# Altium PCB N-CW7Rev00_FrontAndBackHousing.PcbDoc (part 1 of 4)
Units mm, origin at the board's own origin, x right, y up, seen from the top; angles counter-clockwise.
Board outline 137.9 x 91 mm, 2 copper layers (Top Layer, Bottom Layer), stack 1.54 mm thick; 332 components, 212 nets, 959 pads, 533 vias.
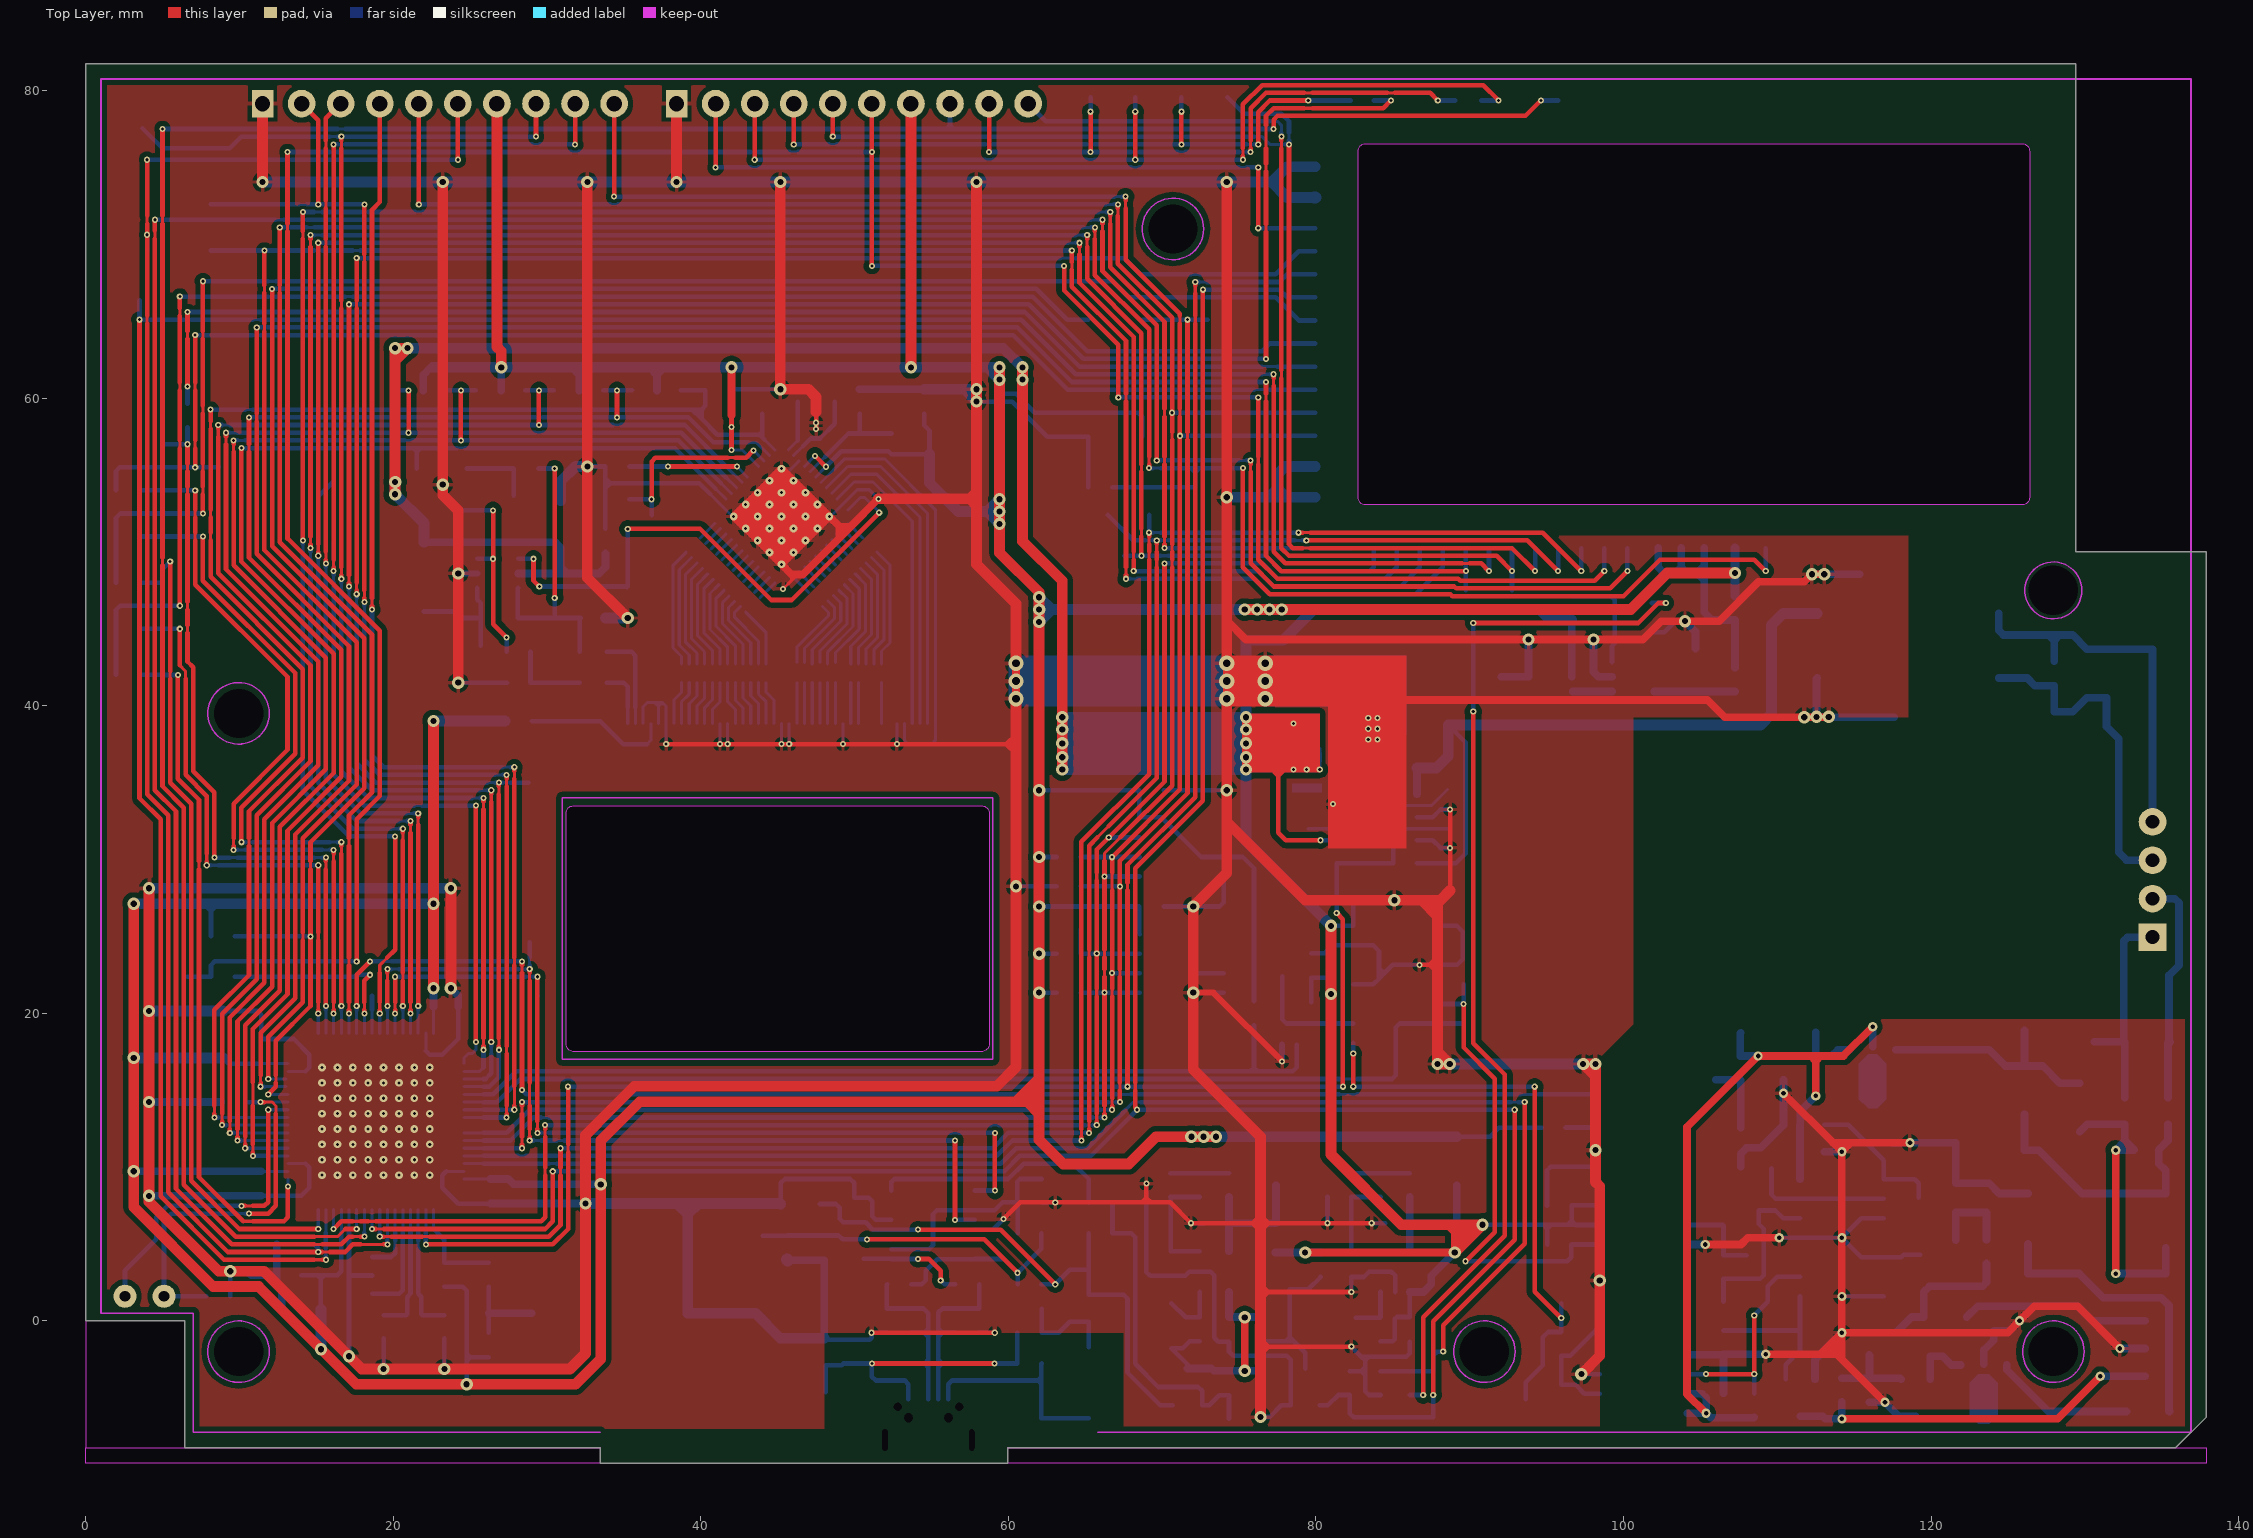
[diagram p0: Top Layer view]
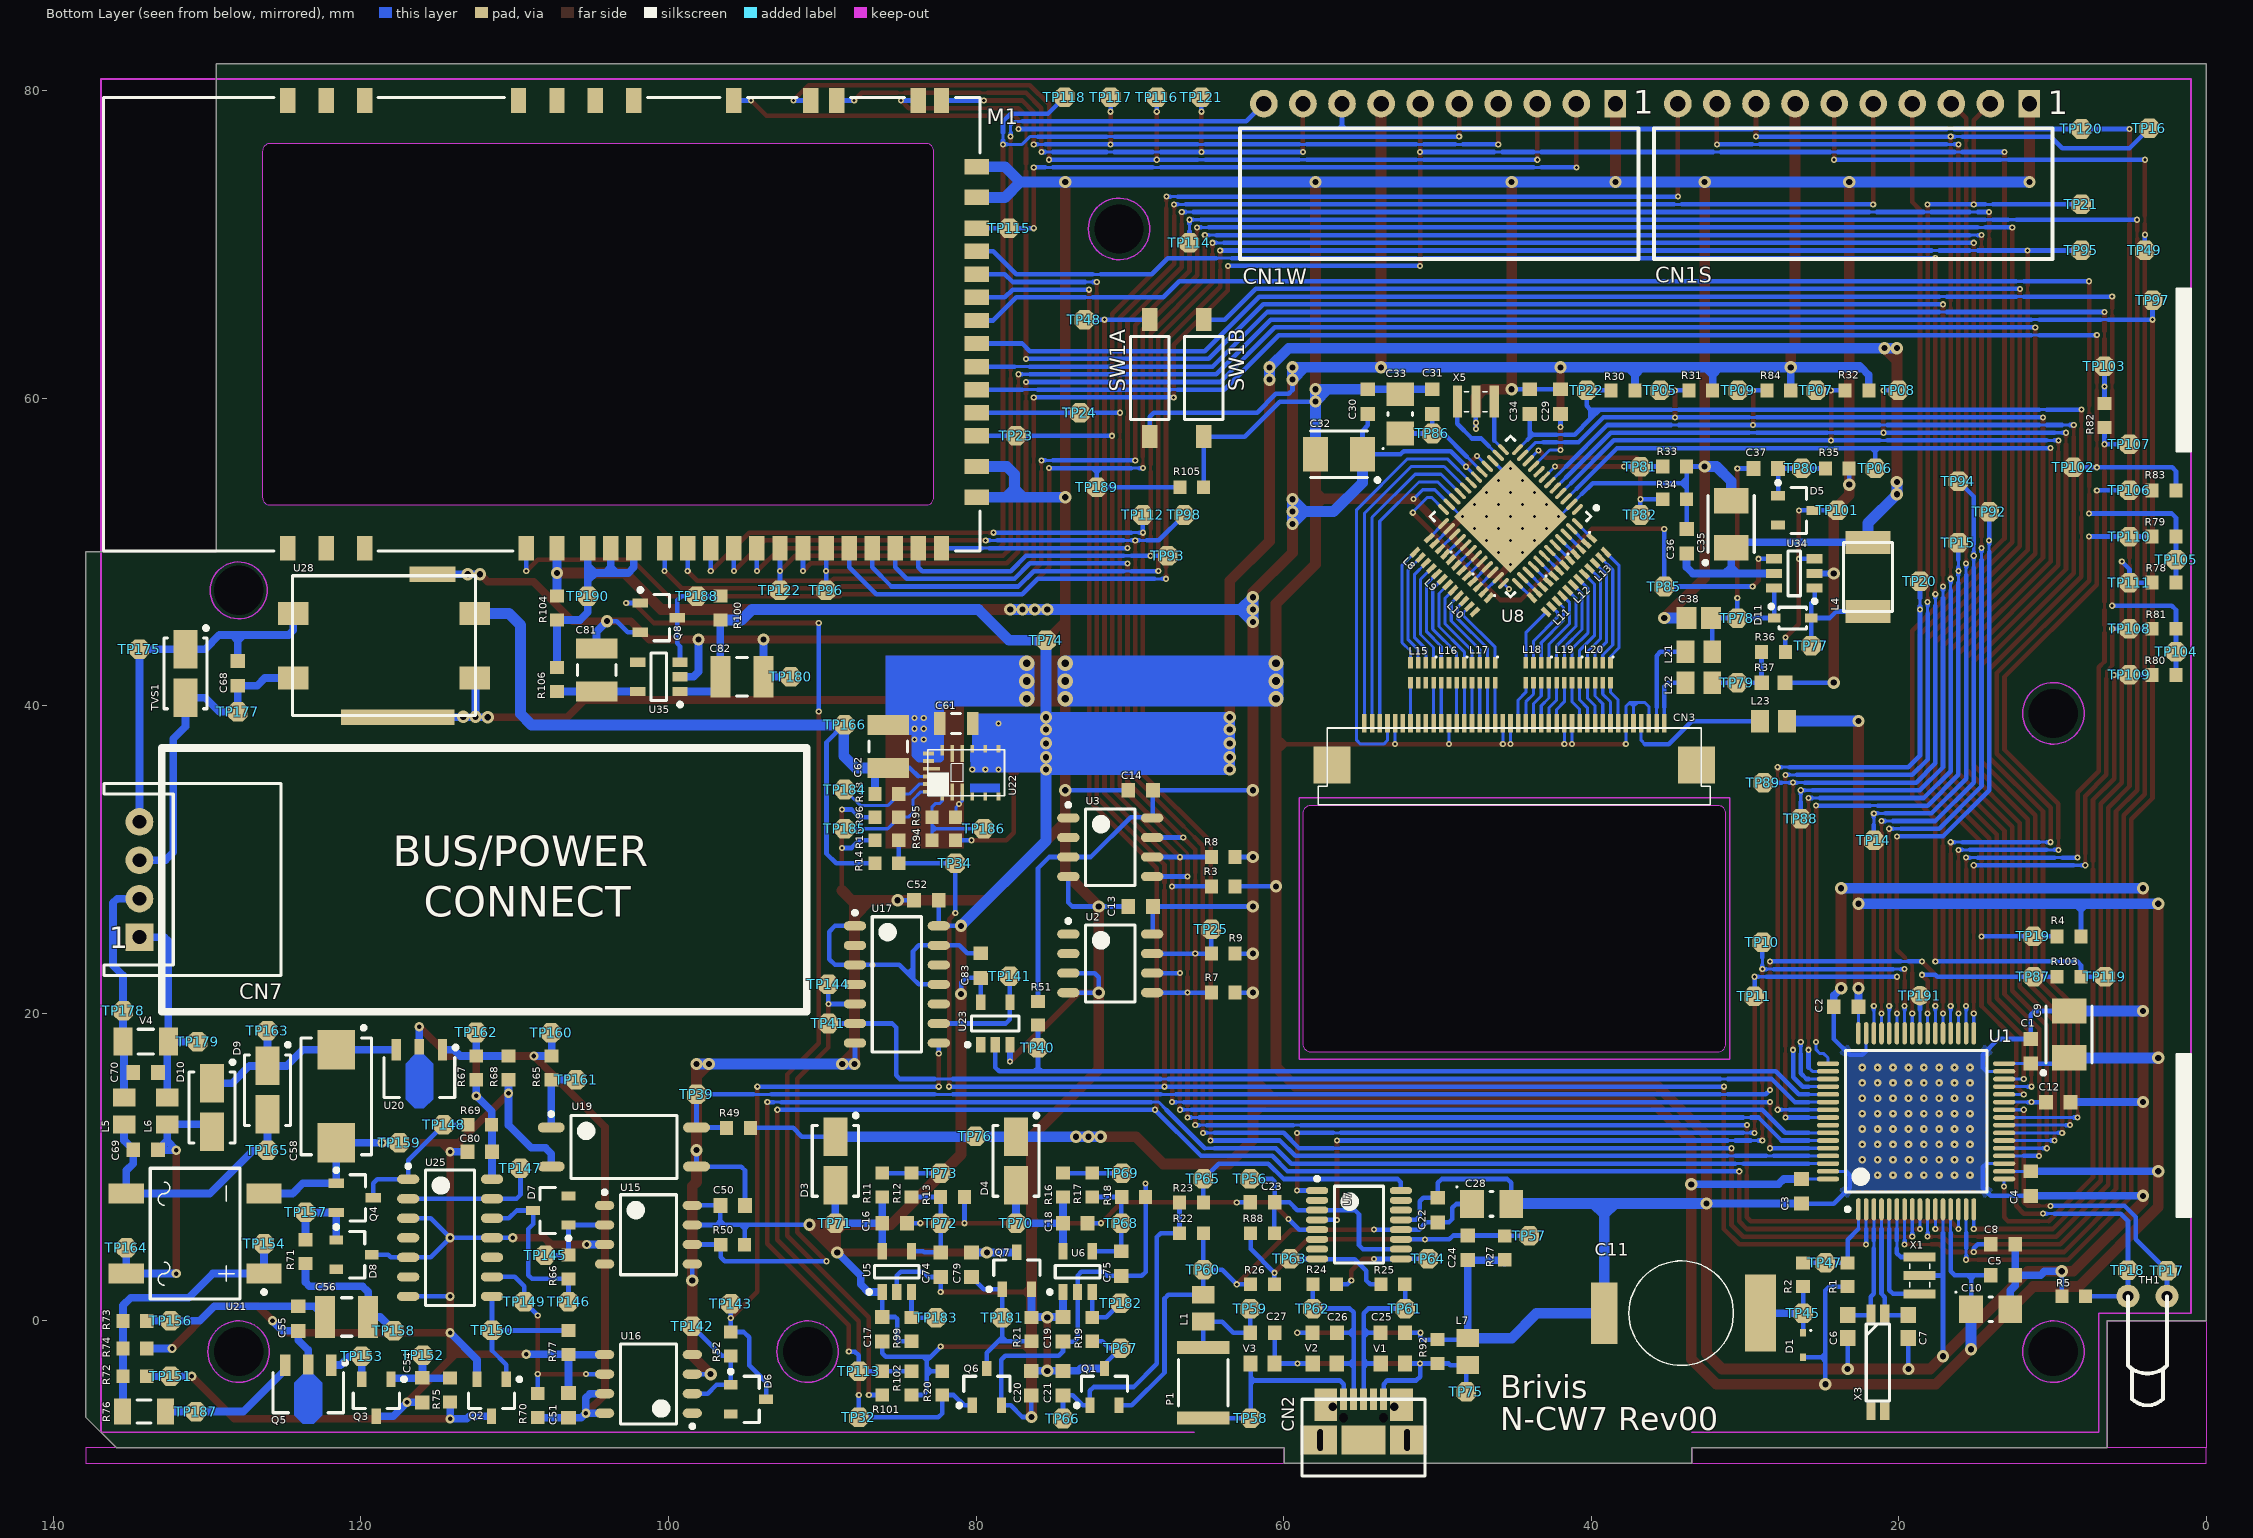
[diagram p1: Bottom Layer view, seen from below]
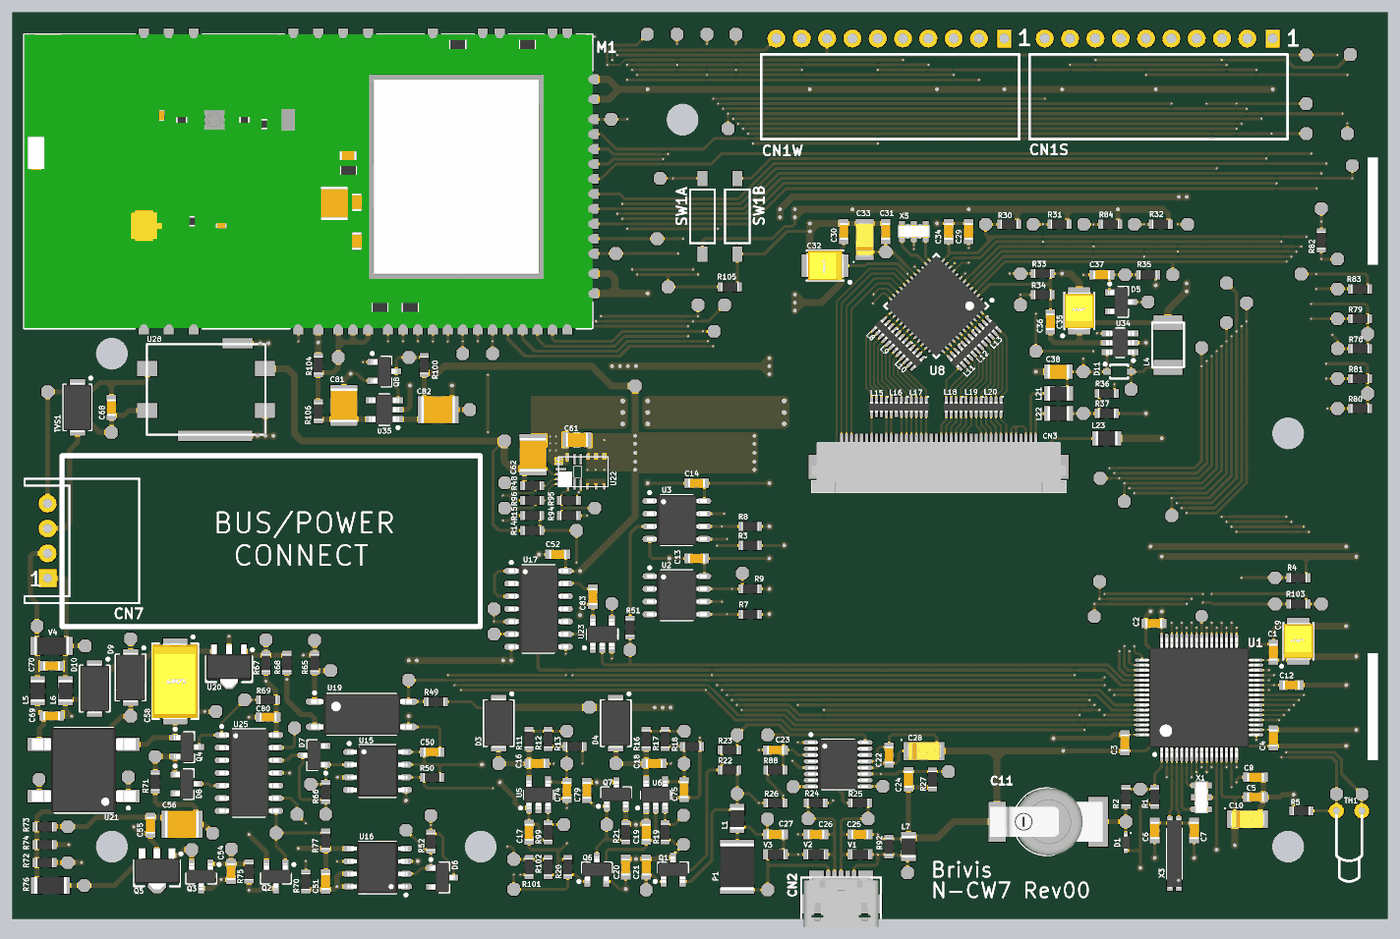
[diagram p5: 3D render of the assembled board from below, using the file's embedded part models]

## Layer stack, top to bottom
Top Solder: solder mask 0.025, Solder Resist, Dk 3.5
Top Layer: signal copper 0.035
Dielectric1: core 1.47, FR-4, Dk 4.8
Bottom Layer: signal copper 0.035
Bottom Solder: solder mask 0.025, Solder Resist, Dk 3.5

## Board outline
6.45,-8.25 33.45,-8.25 33.45,-9.25 49.7,-9.25 59.95,-9.25 59.95,-8.25 135.9,-8.25 137.9,-6.25 137.9,50 129.4,50 129.4,81.75 0,81.75 0,0 6.45,0
cut-out: 83.25,53.05 cw(c83.25,53.55) 82.75,53.55 82.75,76.05 cw(c83.25,76.05) 83.25,76.55 125.9,76.55 cw(c125.9,76.05) 126.4,76.05 126.4,53.55 cw(c125.9,53.55) 125.9,53.05
cut-out: 31.25,18 31.25,33 cw(c31.75,33) 31.75,33.5 58.25,33.5 cw(c58.25,33) 58.75,33 58.75,18 cw(c58.25,18) 58.25,17.5 31.75,17.5 cw(c31.75,18)
cut-out: 59.95,-9.25 59.95,-8.25 137.9,-8.25 137.9,-9.25
cut-out: 0,-8.25 33.45,-8.25 33.45,-9.25 0,-9.25
cut-out: 6.45,0 0,0 0,-8.25 6.45,-8.25

## Design rules (kind name [scope] priority, off if disabled: settings)
Clearance [All] p1: gap=0.2 ignorepadtopadclearanceinfootprint=FALSE
ComponentClearance [All] p1 off: gap=0.254 collisioncheckmode=3 verticalgap=0.2 showdistances=FALSE
PolygonConnect [All] p1: connectstyle=Relief reliefconductorwidth=0.254 reliefentries=4 polygonreliefangle="90 Angle" airgapwidth=0.254
RoutingVias [All] p1: holewidth=0.4 width=0.8 viastyle="Through Hole" minholewidth=0.4 minwidth=0.8 maxholewidth=0.8 maxwidth=1.2
SilkToSilkClearance [All] p1: silktosilkclearance=0.1
SilkToSolderMaskClearance [IsPad] p1: minsilkscreentomaskgap=0.2 clearancetoexposedcopper=TRUE
SolderMaskExpansion [All] p1: expansion=0.102 istentingtop=FALSE
Width [All] p1: maxlimit=1 minlimit=0.2 preferedwidth=0.3
27 further rules are at their usual default settings.

## Classes and differential pairs
component class U_N-CW7_UserInterface: C29 C30 C31 C32 C33 C34 C35 C36 C37 C38 CN3 D5 D11 L4 L8 L9 L10 L11 L12 L13 L15 L16 L17 L18 L19 L20 L21 L22 L23 R30 R31 R32 R33 R34 R35 R36 R37 R84 TP05 TP06 TP07 TP08 TP09 TP22 TP77 TP78 TP79 TP80 TP81 TP82 TP85 TP86 TP101 U8 U34 X5
component class U_N-CW7_PWR_TWB: . C50 C51 C52 C54 C55 C56 C58 C61 C62 C68 C69 C70 C80 C83 CN7 D6 D7 D8 D9 D10 L5 L6 Q2 Q3 Q4 Q5 R48 R49 R50 R51 R52 R65 R66 R67 R68 R69 R70 R71 R72 R73 R74 R75 R76 R77 R94 R95 R96 TP39 TP40 TP41 TP141 TP142 TP143 TP144 TP145 TP146 TP147 TP148 TP149 TP150 TP151 TP152 TP153 TP154 TP156 TP157 TP158 TP159 TP160 TP161 TP162 TP163 TP164 TP165 TP166 TP175 TP177 TP178 TP179 TP184 TP185 TP186 TP187 TVS1 U15 U16 U17 U19 U20 U21 U22 U23 U25 U28 V4
component class N-CW7_Main: C1 C2 C3 C4 C5 C6 C7 C8 C9 C10 C11 C12 C13 C14 C16 C17 C18 C19 C20 C21 C22 C23 C24 C25 C26 C27 C28 C74 C75 C79 C81 C82 CN1S CN1W CN2 D1 D3 D4 L1 L7 M1 P1 Q1 Q6 Q7 Q8 R1 R2 R3 R4 R5 R7 R8 R9 R11 R12 R13 R14 R15 R16 R17 R18 R19 R20 R21 R22 R23 R24 R25 R26 R27 R78 R79 R80 R81 R82 R83 R88 R92 R99 R100 R101 R102 R103 R104 R105 R106 SW1A SW1B TH1 TP10 TP11 TP14 TP15 TP16 TP17 TP18 TP19 TP20 TP21 TP23 TP24 TP25 TP32 TP34 TP45 TP47 TP48 TP49 TP56 TP57 TP58 TP59 TP60 TP61 TP62 TP63 TP64 TP65 TP66 TP67 TP68 TP69 TP70 TP71 TP72 TP73 TP74 TP75 TP76 TP87 TP88 TP89 TP92 TP93 TP94 TP95 TP96 TP97 TP98 TP102 TP103 TP104 TP105 TP106 TP107 TP108 TP109 TP110 TP111 TP112 TP113 TP114 TP115 TP116 TP117 TP118 TP119 TP120 TP121 TP122 TP180 TP181 TP182 TP183 TP188 TP189 TP190 TP191 U1 U2 U3 U5 U6 U7 U35 V1 V2 V3 X1 X3

## Components (designator, comment, footprint, x,y, rotation, side; value= is the part's Value field where it differs from the comment)
C1 "100n" TDK_0603_T0.80:CAPC1608X08N 11.425,17.525 r90 bottom
C2 "100n" TDK_0603_T0.80:CAPC1608X08N 23.425,20.425 r0 bottom
C3 "100n" TDK_0603_T0.80:CAPC1608X08N 26.325,8.425 r270 bottom
C4 "100n" TDK_0603_T0.80:CAPC1608X08N 11.425,8.925 r270 bottom
C5 "100n" TDK_0603_T0.80:CAPC1608X08N 13.225,2.975 r180 bottom
C6 "8p2 50V COG" KEMET_0603_T0.80:CAPC1608X08N 23.325,-0.375 r270 bottom
C7 "8p2 50V COG" KEMET_0603_T0.80:CAPC1608X08N 19.375,-0.375 r90 bottom
C8 "10n" TDK_0603_T0.80:CAPC1608X08N 13.225,4.975 r0 bottom
C9 "10u 16V" KEMET_T494B/3528-21:CAPMP3528X19N 8.925,18.625 r90 bottom
C10 "1u 16V" KEMET_T494A/3216-18:CAPCP3216X16N 14.025,0.75 r180 bottom
C11 "0F22 3.3V" ELNA_RSCSK2243R3D02008U 34.15,0.5 r90 bottom
C12 "10n" TDK_0603_T0.80:CAPC1608X08N 9.625,14.225 r0 bottom
C13 "100n" TDK_0603_T0.80:CAPC1608X08N 69.3,26.945 r180 bottom
C14 "100n" TDK_0603_T0.80:CAPC1608X08N 69.3,34.5 r180 bottom
C16 "2u2 10V X7R" TDK_0603_T0.80:CAPC1608X08N 85.3,6.35 r0 bottom
C17 "2u2 10V X7R" TDK_0603_T0.80:CAPC1608X08N 86.1,-0.55 r90 bottom
C18 "2u2 10V X7R" TDK_0603_T0.80:CAPC1608X08N 73.55,6.35 r0 bottom
C19 "2u2 10V X7R" TDK_0603_T0.80:CAPC1608X08N 74.35,-0.55 r90 bottom
C20 "100n" TDK_0603_T0.80:CAPC1608X08N 76.4,-4.05 r270 bottom
C21 "100n" TDK_0603_T0.80:CAPC1608X08N 74.35,-4.05 r90 bottom
C22 "100n" TDK_0603_T0.80:CAPC1608X08N 49.975,7.2 r90 bottom
C23 "100n" TDK_0603_T0.80:CAPC1608X08N 61.375,7.7 r180 bottom
C24 "10n" TDK_0603_T0.80:CAPC1608X08N 48.025,4.75 r270 bottom
C25 "47p 50V COG" TDK_0603_T0.80:CAPC1608X08N 52.9,-0.775 r0 bottom
C26 "47p 50V COG" TDK_0603_T0.80:CAPC1608X08N 57.325,-0.775 r180 bottom
C27 "10n" TDK_0603_T0.80:CAPC1608X08N 61.375,-0.775 r180 bottom
C28 "4u7 16V" KEMET_T494A/3216-18:CAPCP3216X16N 46.475,7.6 r180 bottom
C29 "100n" TDK_0603_T0.80:CAPC1608X08N 42,59.775 r270 bottom
C30 "100n" TDK_0603_T0.80:CAPC1608X08N 54.525,59.775 r270 bottom
C31 "100n" TDK_0603_T0.80:CAPC1608X08N 50.325,59.775 r270 bottom
C32 "10u 16V" KEMET_T494B/3528-21:CAPMP3528X19N 56.4,56.35 r0 bottom
C33 "4u7 16V" KEMET_T494A/3216-18:CAPCP3216X16N 52.425,58.975 r90 bottom
C34 "100n" TDK_0603_T0.80:CAPC1608X08N 44,59.775 r270 bottom
C35 "10u 16V" KEMET_T494B/3528-21:CAPMP3528X19N 30.9,51.8 r90 bottom
C36 "100n" TDK_0603_T0.80:CAPC1608X08N 33.8,50.7 r90 bottom
C37 "2n2" TDK_0603_T0.80:CAPC1608X08N 28.65,55.425 r0 bottom
C38 "220n 25V X5R" AVX_0805_T1.40:CAPC2012X14N 33,45.7 r0 bottom
C50 "100n" TDK_0603_T0.80:CAPC1608X08N 95.825,7.5 r0 bottom
C51 "100n" TDK_0603_T0.80:CAPC1608X08N 106.5,-5.5 r90 bottom
C52 "100n" TDK_0603_T0.80:CAPC1608X08N 83.225,27.35 r0 bottom
C54 "470p" TDK_0603_T0.80:CAPC1608X08N 116,-4.5 r90 bottom
C55 "2n2" TDK_0603_T0.80:CAPC1608X08N 124.075,0.15 r90 bottom
C56 "10u 35V X5R" KEMET_1210_T1.90:CAPC3225X19N 120.925,0.25 r180 bottom
C58 "100u 25V" KEMET_T494X/7343-43:CAPMP7343X43N 121.6,14.6 r270 bottom
C61 "22u 16V X5R" TDK_0805_T1.25:CAPC2013X12N 81.3,38.85 r180 bottom
C62 "10u 35V X5R" KEMET_1210_T1.90:CAPC3225X19N 85.7,37.35 r270 bottom
C68 "100n" TDK_0603_T0.80:CAPC1608X08N 128,42.1 r90 bottom
C69 "10n" TDK_0603_T0.80:CAPC1608X08N 134,11.125 r0 bottom
C70 "10n" TDK_0603_T0.80:CAPC1608X08N 134,16.15 r0 bottom
C74 "10n" TDK_0603_T0.80:CAPC1608X08N 82.3,3.65 r270 bottom
C75 "10n" TDK_0603_T0.80:CAPC1608X08N 70.55,3.725 r270 bottom
C79 "100n" TDK_0603_T0.80:CAPC1608X08N 80.3,3.65 r270 bottom
C80 "100n" TDK_0603_T0.80:CAPC1608X08N 112.275,11 r180 bottom
C81 "1u" KEMET_1210_T1.55:CAPC3225X16N 104.675,42.325 r270 bottom
C82 "1u" KEMET_1210_T1.55:CAPC3225X16N 95.225,41.875 r0 bottom
C83 "100n" TDK_0603_T0.80:CAPC1608X08N 79.7,23.1 r90 bottom
CN1S "10 Way Connector (SIL R/A)" SULLINS_PPTC101LGBN-RC 11.505,79.15 r0 bottom
CN1W "10 Way Connector (SIL R/A)" SULLINS_PPTC101LGBN-RC 38.425,79.15 r0 bottom
CN2 "MICRO B USB" MOLEX:47346-1001 54.8,-5.1 r180 bottom
CN3 "40 Pin TFT LCD Connector" FCI_62684-402100ALF 45,37.25 r180 bottom
CN7 "541031-304Q" JWT_A2501WR2-4P:PS2.50MM 134.4,32.45 r0 bottom
D1 "BAS716,115" NEXPERIA_BAS716,115_SOD523:SODFL160X65-2N 26.225,-1.575 r270 bottom
D3 "S1G" DIODESINC_S1G_SMA_D0214AC:DIOM4326X24N 89.15,10.4 r270 bottom
D4 "S1G" DIODESINC_S1G_SMA_D0214AC:DIOM4326X24N 77.4,10.4 r270 bottom
D5 "BAS16,215" NEXPERIA_BAS16,215_SOT_23:SOT95P230X110-3N 26.7,52.7 r180 bottom
D6 "BAS16,215" NEXPERIA_BAS16,215_SOT_23:SOT95P230X110-3N 94.8,-5.1 r180 bottom
D7 "BAS16,215" NEXPERIA_BAS16,215_SOT_23:SOT95P230X110-3N 107.65,7.175 r0 bottom
D8 "BAS16,215" NEXPERIA_BAS16,215_SOT_23:SOT95P230X110-3N 120.45,4.3 r180 bottom
D9 "S1G" DIODESINC_S1G_SMA_D0214AC:DIOM4326X24N 126.075,15 r270 bottom
D10 "S1G" DIODESINC_S1G_SMA_D0214AC:DIOM4326X24N 129.675,13.875 r270 bottom
D11 "CMDSH-3" CSEMI_CMDSH-3_SOD323 26.9,45.7 r180 bottom
L1 "600R @ 100MHz" LAIRD_MI0805K601R-10:INDC2012X09N 65.225,0.825 r270 bottom
L4 "NLC453232T-220K" TDK_NLC453232T-220K 22,48.375 r90 bottom
L5 "600R @ 100MHz" LAIRD_MI0805K601R-10:INDC2012X09N 135.4,13.65 r90 bottom
L6 "600R @ 100MHz" LAIRD_MI0805K601R-10:INDC2012X09N 132.6,13.65 r90 bottom
L7 "600R @ 100MHz" LAIRD_MI0805K601R-10:INDC2012X09N 48.025,-2 r270 bottom
L8 "BLA2ABD102SN4" MURATA_BLA2ABD102SN4_0804:CAF-50P200X100-8N 50.465,49.914 r315 bottom
L9 "BLA2ABD102SN4" MURATA_BLA2ABD102SN4_0804:CAF-50P200X100-8N 49.051,48.499 r315 bottom
L10 "BLA2ABD102SN4" MURATA_BLA2ABD102SN4_0804:CAF-50P200X100-8N 47.636,47.085 r315 bottom
L11 "BLA2ABD102SN4" MURATA_BLA2ABD102SN4_0804:CAF-50P200X100-8N 42.864,47.085 r225 bottom
L12 "BLA2ABD102SN4" MURATA_BLA2ABD102SN4_0804:CAF-50P200X100-8N 41.449,48.499 r225 bottom
L13 "BLA2ABD102SN4" MURATA_BLA2ABD102SN4_0804:CAF-50P200X100-8N 40.035,49.914 r225 bottom
L15 "BLA2ABD102SN4" MURATA_BLA2ABD102SN4_0804:CAF-50P200X100-8N 51,42.15 r270 bottom
L16 "BLA2ABD102SN4" MURATA_BLA2ABD102SN4_0804:CAF-50P200X100-8N 49,42.15 r270 bottom
L17 "BLA2ABD102SN4" MURATA_BLA2ABD102SN4_0804:CAF-50P200X100-8N 47,42.15 r270 bottom
L18 "BLA2ABD102SN4" MURATA_BLA2ABD102SN4_0804:CAF-50P200X100-8N 43.5,42.15 r270 bottom
L19 "BLA2ABD102SN4" MURATA_BLA2ABD102SN4_0804:CAF-50P200X100-8N 41.5,42.15 r270 bottom
L20 "BLA2ABD102SN4" MURATA_BLA2ABD102SN4_0804:CAF-50P200X100-8N 39.5,42.15 r270 bottom
L21 "600R @ 100MHz" LAIRD_MI0805K601R-10:INDC2012X09N 33,43.5 r0 bottom
L22 "600R @ 100MHz" LAIRD_MI0805K601R-10:INDC2012X09N 33,41.5 r0 bottom
L23 "600R @ 100MHz" LAIRD_MI0805K601R-10:INDC2012X09N 28.15,39 r0 bottom
M1 "MB-WIFI-CC3200Rev00" MB-WIFI-CC3200Rev00 102.35,65.3 r0 bottom
P1 "PTC 6V 2.2A" BOURNS_MF-MSMF110-2:INDC4632X08N 65.225,-4.025 r270 bottom
Q1 "IRLML6402" IR_IRLML6402TRPBF_SOT23:SOT95P237X112-3N 71.65,-4.3 r90 bottom
Q2 "FDV301N" ONSEMI_FDV301N_SOT23:SOT95P230X110-3N 111.5,-5 r270 bottom
Q3 "BC856BLT1G" ONSEMI_BC856BLT1G_SOT23_SOT95P237X110-3N 119,-5 r270 bottom
Q4 "BC847BLT1G" ONSEMI_BC847BLT1G_SOT23:SOT95P230X110-3N 120.4,8 r180 bottom
Q5 "BCX51-16" INFINEON_BCX51-16_SOT89:SOT89-150P400X150-3N 123.425,-4.675 r270 bottom
Q6 "FDV301N" ONSEMI_FDV301N_SOT23:SOT95P230X110-3N 79.3,-4.3 r90 bottom
Q7 "IRLML6402" IR_IRLML6402TRPBF_SOT23:SOT95P237X112-3N 77.35,3.25 r90 bottom
Q8 "BC847BLT1G" ONSEMI_BC847BLT1G_SOT23:SOT95P230X110-3N 100.625,45.725 r180 bottom
R1 "0R" YAGEO_0603_T0.55:RESC1608X06N 23.325,3 r90 bottom
R2 "0R" YAGEO_0603_T0.55:RESC1608X06N 26.225,3 r270 bottom
R3 "10K" YAGEO_0603_T0.55:RESC1608X06N 63.925,28.25 r0 bottom
R4 "10K" YAGEO_0603_T0.55:RESC1608X06N 8.925,25 r180 bottom
R5 "10K" YAGEO_0603_T0.55:RESC1608X06N 8.625,1.6 r180 bottom
R7 "10K" YAGEO_0603_T0.55:RESC1608X06N 63.925,21.34 r180 bottom
R8 "10K" YAGEO_0603_T0.55:RESC1608X06N 63.925,30.16 r180 bottom
R9 "10K" YAGEO_0603_T0.55:RESC1608X06N 63.925,23.88 r180 bottom
R11 "15K" YAGEO_0603_T0.55:RESC1608X06N 86.1,8.825 r270 bottom
R12 "120R" YAGEO_0603_T0.55:RESC1608X06N 84.2,8.825 r90 bottom
R13 "6K8" YAGEO_0603_T0.55:RESC1608X06N 81.525,8.05 r0 bottom
R14 "33K" YAGEO_0603_T0.55:RESC1608X06N 85.8,29.75 r0 bottom
R15 "10K" YAGEO_0603_T0.55:RESC1608X06N 85.8,31.25 r180 bottom
R16 "15K" YAGEO_0603_T0.55:RESC1608X06N 74.35,8.825 r270 bottom
R17 "120R" YAGEO_0603_T0.55:RESC1608X06N 72.45,8.825 r90 bottom
R18 "6K8" YAGEO_0603_T0.55:RESC1608X06N 69.75,8.05 r0 bottom
R19 "10K" YAGEO_0603_T0.55:RESC1608X06N 72.45,-0.55 r90 bottom
R20 "100K" YAGEO_0603_T0.55:RESC1608X06N 82.2,-4.05 r270 bottom
R21 "1K" YAGEO_0603_T0.55:RESC1608X06N 76.4,-0.55 r270 bottom
R22 "100K" YAGEO_0603_T0.55:RESC1608X06N 66,5.7 r0 bottom
R23 "1K" YAGEO_0603_T0.55:RESC1608X06N 66,7.7 r0 bottom
R24 "27R" YAGEO_0603_T0.55:RESC1608X06N 57.325,2.375 r0 bottom
R25 "27R" YAGEO_0603_T0.55:RESC1608X06N 52.9,2.375 r180 bottom
R26 "10K" YAGEO_0603_T0.55:RESC1608X06N 61.375,2.375 r0 bottom
R27 "15K" YAGEO_0603_T0.55:RESC1608X06N 45.625,4.75 r90 bottom
R30 "47K" YAGEO_0603_T0.55:RESC1608X06N 37.925,60.5 r180 bottom
R31 "4K7" YAGEO_0603_T0.55:RESC1608X06N 32.875,60.5 r0 bottom
R32 "4K7" YAGEO_0603_T0.55:RESC1608X06N 22.725,60.5 r0 bottom
R33 "4K7" YAGEO_0603_T0.55:RESC1608X06N 34.575,55.55 r180 bottom
R34 "4K7" YAGEO_0603_T0.55:RESC1608X06N 34.575,53.425 r180 bottom
R35 "10K" YAGEO_0603_T0.55:RESC1608X06N 24,55.425 r0 bottom
R36 "4K7" YAGEO_0603_T0.55:RESC1608X06N 28.15,43.5 r180 bottom
R37 "2R4 1/4W 1%" PANASONIC_ERJ-3B:RESC1608X04N 28.15,41.5 r0 bottom
R48 "100K" YAGEO_0603_T0.55:RESC1608X06N 85.8,34.25 r180 bottom
R49 "3K3" YAGEO_0603_T0.55:RESC1608X06N 95.45,12.55 r180 bottom
R50 "1K" YAGEO_0603_T0.55:RESC1608X06N 95.825,4.95 r0 bottom
R51 "10K" YAGEO_0603_T0.55:RESC1608X06N 75.975,20 r270 bottom
R52 "1K" YAGEO_0603_T0.55:RESC1608X06N 95.95,-1.5 r270 bottom
R65 "680R" YAGEO_0603_T0.55:RESC1608X06N 107.6,16.45 r90 bottom
R66 "1K" YAGEO_0603_T0.55:RESC1608X06N 106.5,3.5 r90 bottom
R67 "330R" YAGEO_0603_T0.55:RESC1608X06N 112.5,16.45 r90 bottom
R68 "1K" YAGEO_0603_T0.55:RESC1608X06N 110.4,16.45 r270 bottom
R69 "100K" YAGEO_0603_T0.55:RESC1608X06N 112.275,12.75 r0 bottom
R70 "1K" YAGEO_0603_T0.55:RESC1608X06N 108.5,-5.5 r90 bottom
R71 "22K" YAGEO_0603_T0.55:RESC1608X06N 123.6,4.5 r270 bottom
R72 "2K2" YAGEO_0603_T0.55:RESC1608X06N 134.7,-3.6 r0 bottom
R73 "10K" YAGEO_0603_T0.55:RESC1608X06N 134.7,0 r0 bottom
R74 "10K" YAGEO_0603_T0.55:RESC1608X06N 134.7,-1.8 r0 bottom
R75 "10K" YAGEO_0603_T0.55:RESC1608X06N 114.2,-4.5 r90 bottom
R76 "22R 1/4W 1%" YAGEO_1206_T0.55:RESC3116X06N 134.1,-5.9 r0 bottom
R77 "10K" YAGEO_0603_T0.55:RESC1608X06N 106.5,-1.4 r90 bottom
R78 "0R" YAGEO_0603_T0.55:RESC1608X06N 2.75,48 r0 bottom
R79 "0R" YAGEO_0603_T0.55:RESC1608X06N 2.75,51 r0 bottom
R80 "0R" YAGEO_0603_T0.55:RESC1608X06N 2.75,42 r0 bottom
R81 "0R" YAGEO_0603_T0.55:RESC1608X06N 2.75,45 r0 bottom
R82 "0R" YAGEO_0603_T0.55:RESC1608X06N 6.625,58.875 r270 bottom
R83 "0R" YAGEO_0603_T0.55:RESC1608X06N 2.75,54 r0 bottom
R84 "4K7" YAGEO_0603_T0.55:RESC1608X06N 27.8,60.5 r0 bottom
R88 "0R" YAGEO_0603_T0.55:RESC1608X06N 61.375,5.7 r0 bottom
R92 "0R" YAGEO_0603_T0.55:RESC1608X06N 50,-2 r270 bottom
R94 "100K" YAGEO_0603_T0.55:RESC1608X06N 82.1,31.25 r0 bottom
R95 "19K1" YAGEO_0603_T0.55:RESC1608X06N 82.1,32.75 r180 bottom
R96 "45K3" YAGEO_0603_T0.55:RESC1608X06N 85.8,32.75 r180 bottom
R99 "10K" YAGEO_0603_T0.55:RESC1608X06N 84.2,-0.55 r90 bottom
R100 "1K" YAGEO_0603_T0.55:RESC1608X06N 96.625,46.35 r270 bottom
R101 "10K" YAGEO_0603_T0.55:RESC1608X06N 86.1,-4.05 r270 bottom
R102 "3K3" YAGEO_0603_T0.55:RESC1608X06N 84.2,-4.05 r270 bottom
R103 "330R" YAGEO_0603_T0.55:RESC1608X06N 8.925,22.375 r0 bottom
R104 "0R" YAGEO_0603_T0.55:RESC1608X06N 107.25,46.35 r270 bottom
R105 "10K" YAGEO_0603_T0.55:RESC1608X06N 65.975,54.2 r0 bottom
R106 "0R" YAGEO_0603_T0.55:RESC1608X06N 107.25,41.7 r270 bottom
SW1A "SPST" COPAL_CHS-02B 68.7,61.3 r180 bottom
SW1B "SPST" COPAL_CHS-02B 65.2,61.3 r0 bottom
TH1 "10K NTC 1%" NETWORKER_THERMISTOR_2.54MM 5.1,1.6 r270 bottom
TP05 "TESTPOINT_OCTAGONAL" TESTPOINT_OCTAGONAL#1 35.525,60.525 r90 bottom
TP06 "TESTPOINT_OCTAGONAL" TESTPOINT_OCTAGONAL#2 21.525,55.425 r90 bottom
TP07 "TESTPOINT_OCTAGONAL" TESTPOINT_OCTAGONAL#2 25.375,60.5 r90 bottom
TP08 "TESTPOINT_OCTAGONAL" TESTPOINT_OCTAGONAL#2 20.025,60.5 r90 bottom
TP09 "TESTPOINT_OCTAGONAL" TESTPOINT_OCTAGONAL#2 30.45,60.5 r90 bottom
TP10 "TESTPOINT_OCTAGONAL" TESTPOINT_OCTAGONAL#2 28.875,24.625 r90 bottom
TP11 "TESTPOINT_OCTAGONAL" TESTPOINT_OCTAGONAL#2 29.4,21.1 r90 bottom
TP14 "TESTPOINT_OCTAGONAL" TESTPOINT_OCTAGONAL#2 21.625,31.25 r90 bottom
TP15 "TESTPOINT_OCTAGONAL" TESTPOINT_OCTAGONAL#2 16.125,50.6 r90 bottom
TP16 "TESTPOINT_OCTAGONAL" TESTPOINT_OCTAGONAL#3 3.7,77.5 r90 bottom
TP17 "TESTPOINT_OCTAGONAL" TESTPOINT_OCTAGONAL#2 2.55,3.25 r90 bottom